# Altium PCB main.PcbDoc (part 1 of 2)
Units mm, origin at the board's own origin, x right, y up, seen from the top; angles counter-clockwise.
Board outline 102 x 102 mm, 2 copper layers (Top Layer, Bottom Layer); 121 components, 96 nets, 438 pads, 258 vias.
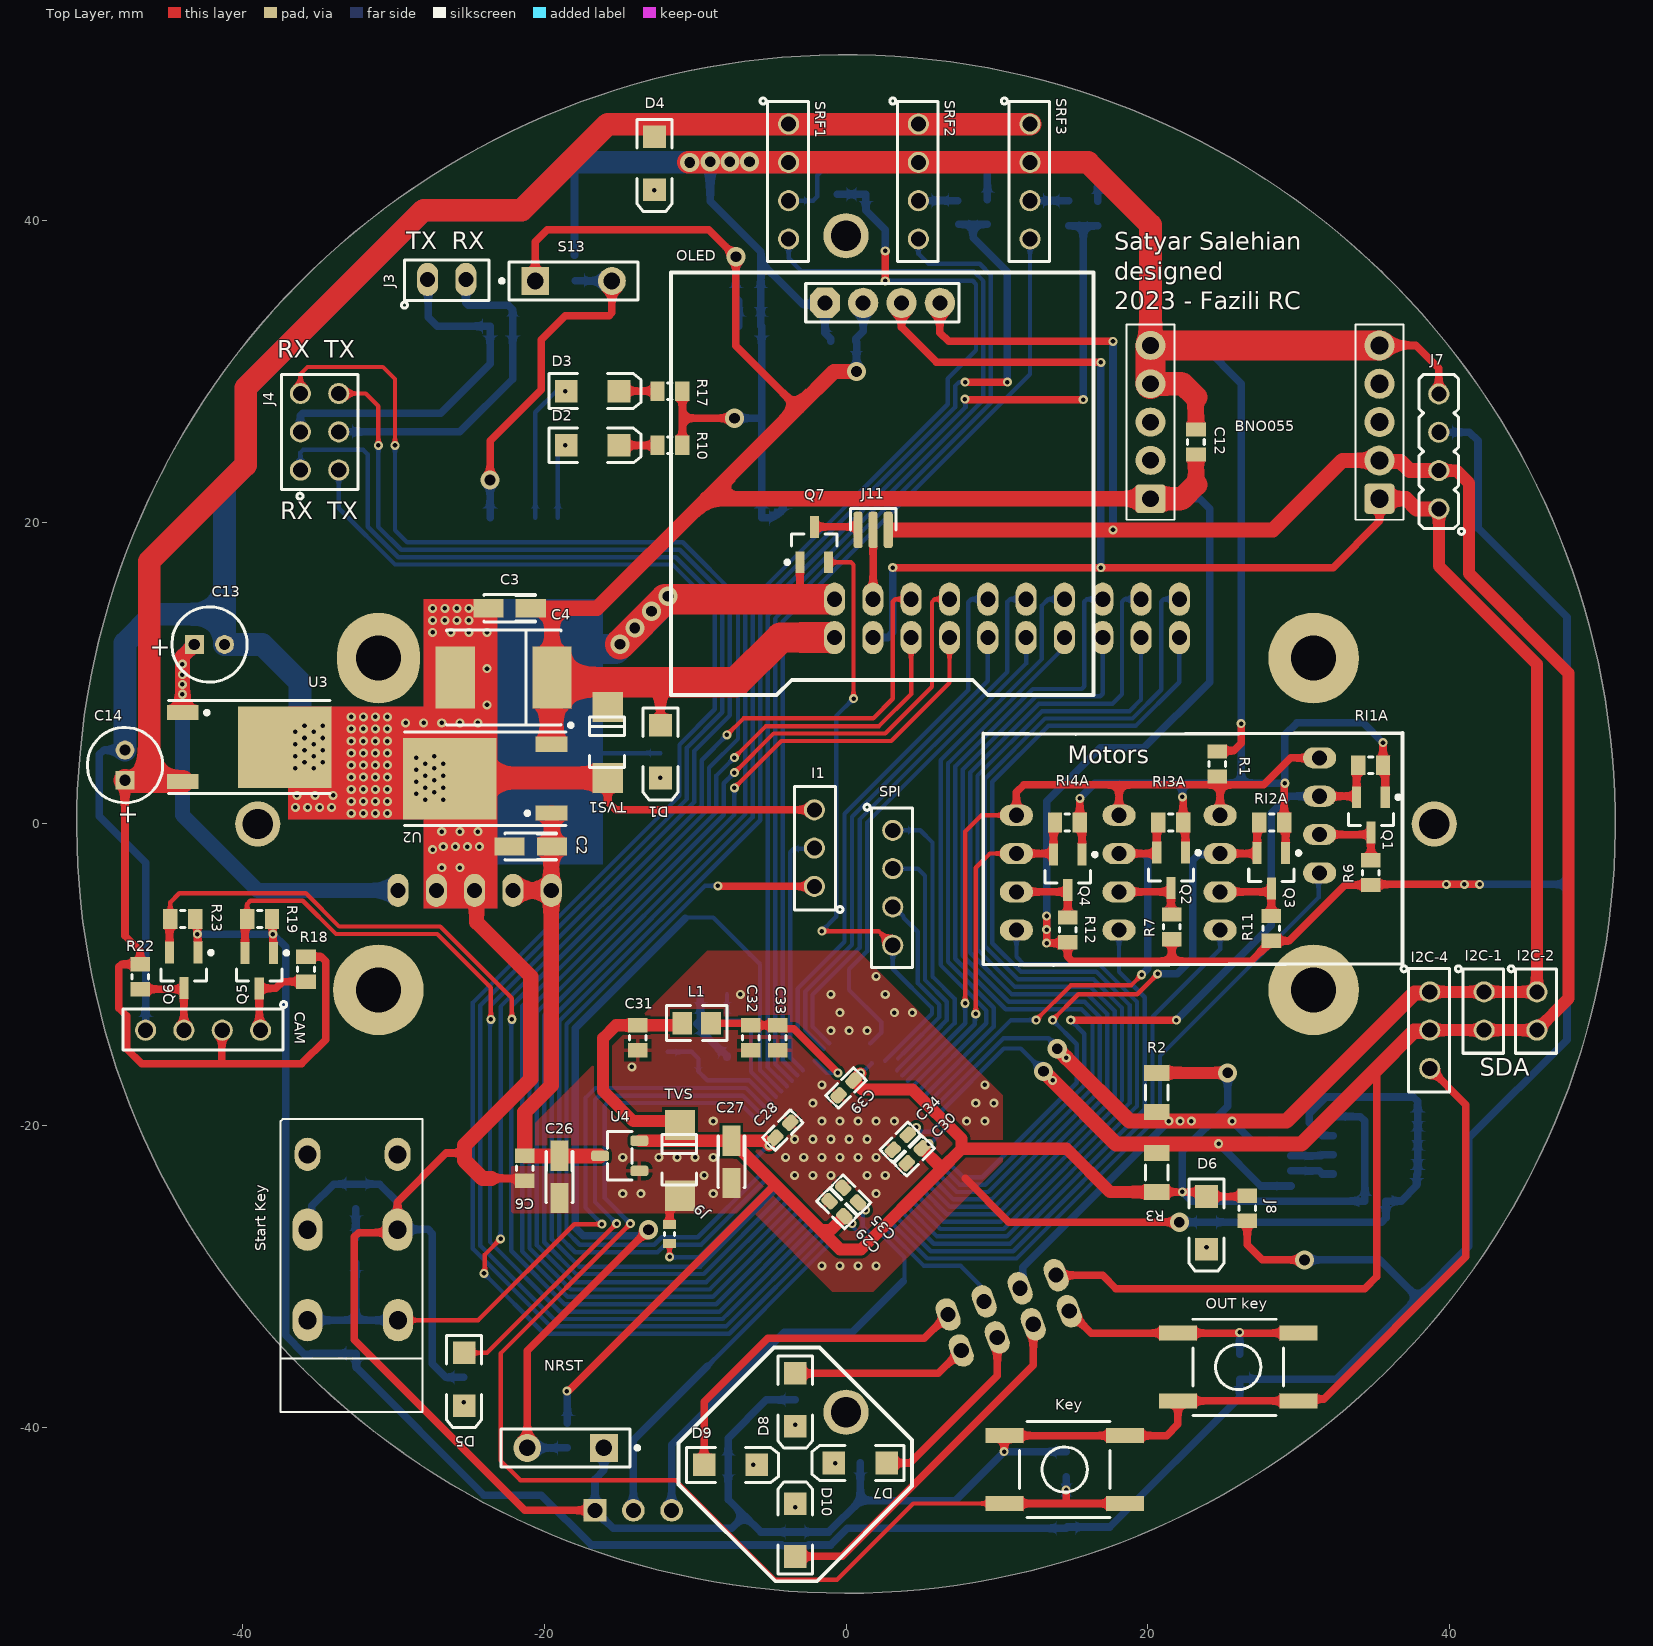
[diagram p0: Top Layer view]
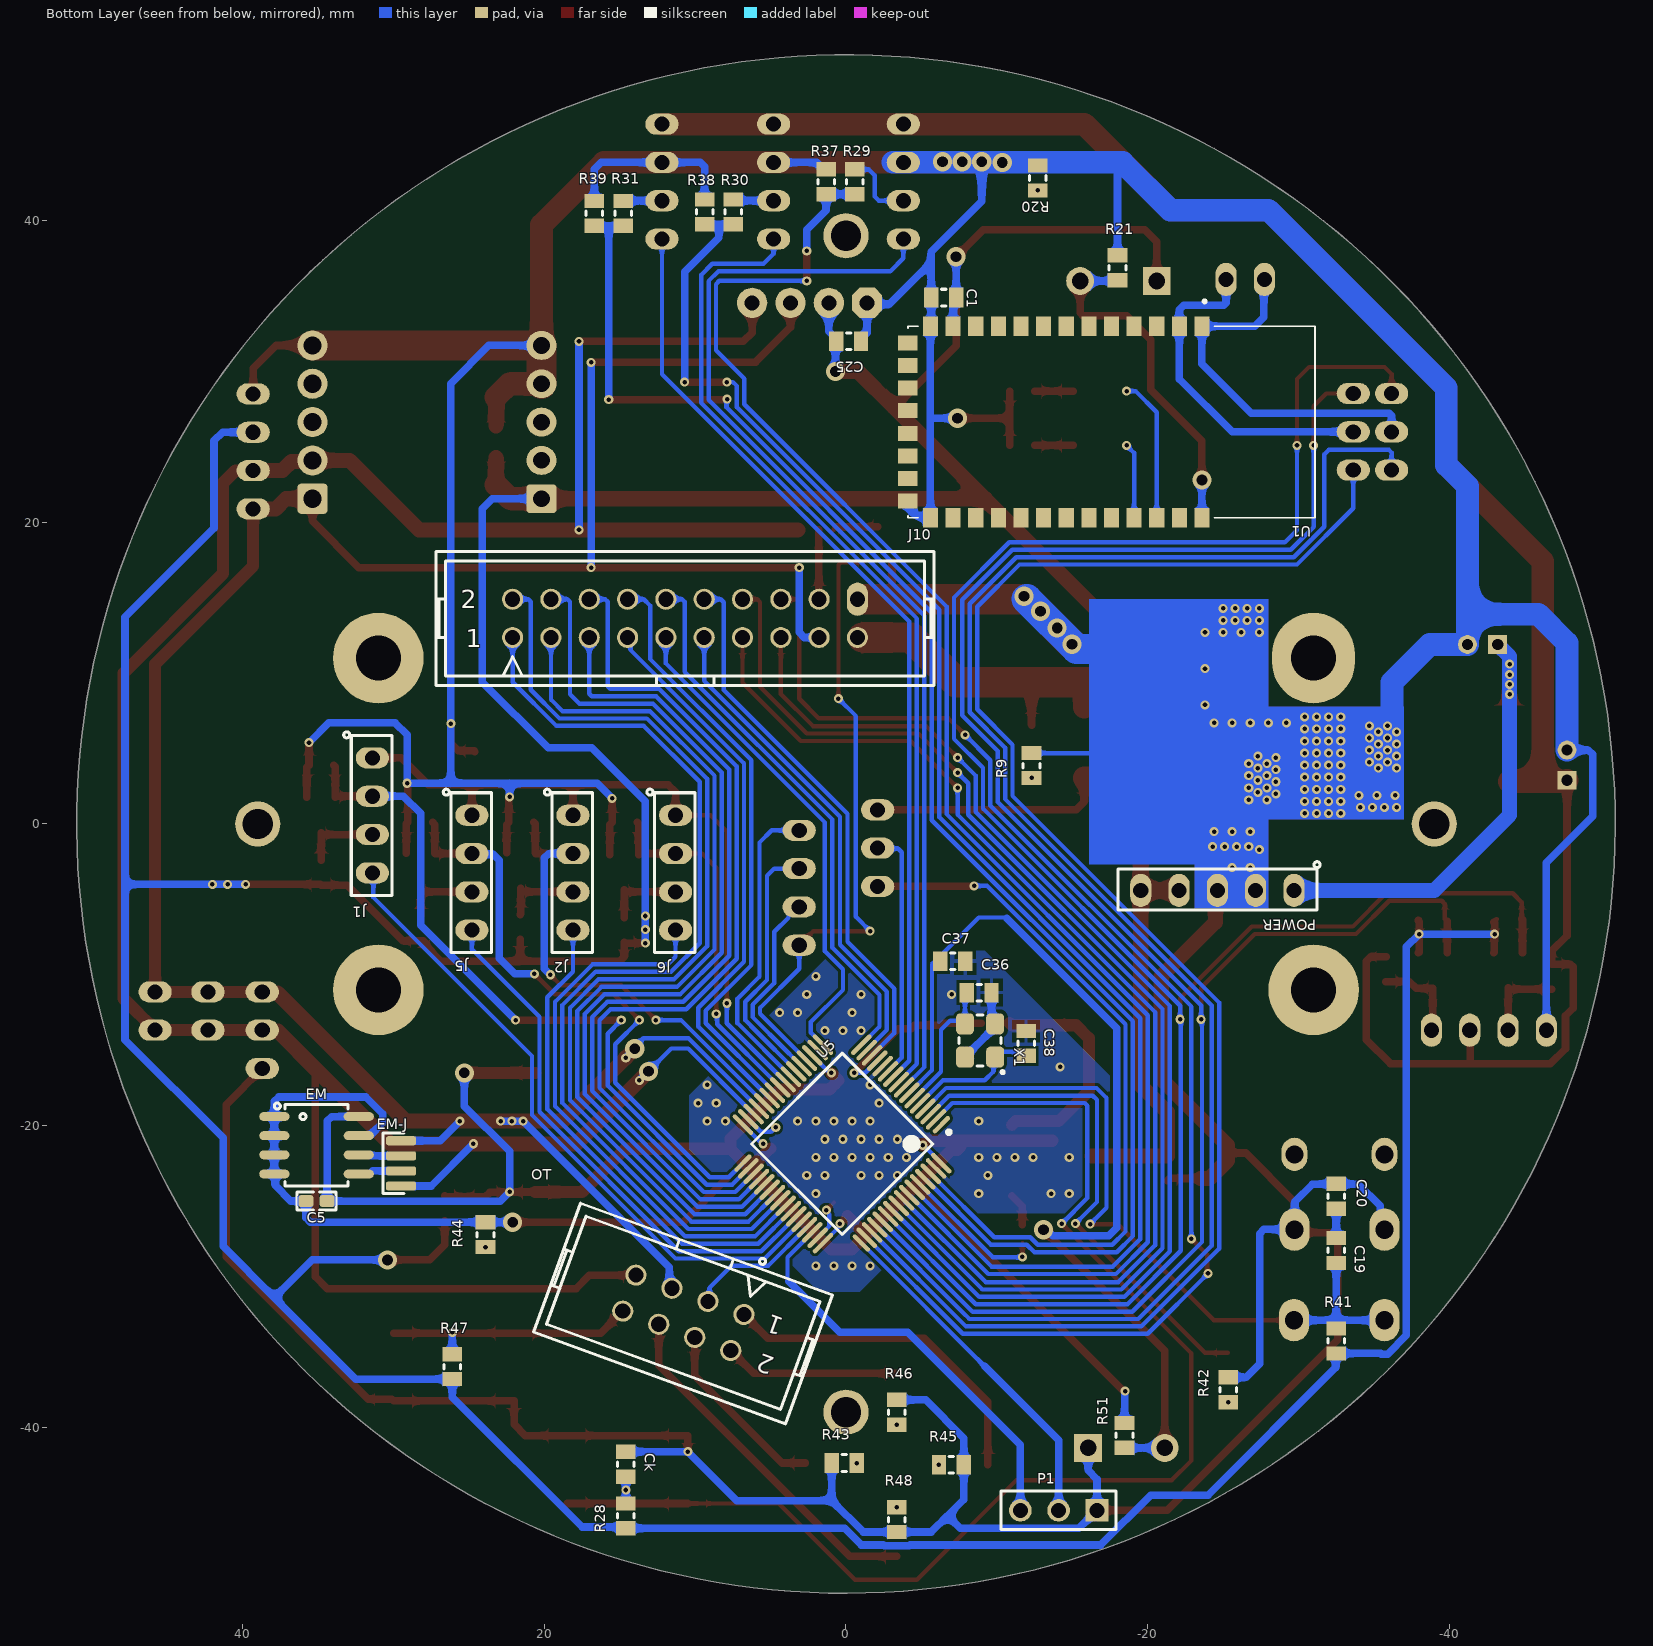
[diagram p1: Bottom Layer view, seen from below]

## Layer stack, top to bottom
Top Solder: solder mask 0.0102, Solder Resist, Dk 3.5
Top Layer: signal copper 0.0356
Dielectric 1: dielectric 0.32, FR-4, Dk 4.8
Bottom Layer: signal copper 0.0356
Bottom Solder: solder mask 0.0102, Solder Resist, Dk 3.5

## Board outline
-50.077,9.66 ccw(c0,0) -50.063,9.732

## Design rules (kind name [scope] priority, off if disabled: settings)
Clearance [All] p1: gap=0.2 ignorepadtopadclearanceinfootprint=FALSE
DiffPairsRouting [All] p1: maxlimit=0.24 minlimit=0.1 mostfreqgap=0.1 toplayer_minwidth=0.22 toplayer_maxwidth=0.22 toplayer_prefwidth=0.22 bottomlayer_minwidth=0.22 bottomlayer_maxwidth=0.22 bottomlayer_prefwidth=0.22 maxuncoupledlength=12.7
PolygonConnect [All] p1: thpad.connectstyle=Relief thpad.reliefconductorwidth=0.254 thpad.reliefentries=4 thpad.polygonreliefangle="90 Angle" thpad.airgapwidth=0.254 smdpad.connectstyle=Relief smdpad.reliefconductorwidth=0.254 smdpad.reliefentries=4 smdpad.polygonreliefangle="90 Angle" smdpad.airgapwidth=0.254 via.connectstyle=Direct via.reliefconductorwidth=0.254 via.reliefentries=4 via.polygonreliefangle="90 Angle" via.airgapwidth=0.254
RoutingVias [All] p1: holewidth=0.711 width=1.27 viastyle="Through Hole" minholewidth=0.711 minwidth=1.27 maxholewidth=0.711 maxwidth=1.27
SolderMaskExpansion [All] p1: expansion=0.102 istentingtop=FALSE
Width [All] p1: maxlimit=2.5 minlimit=0.29 preferedwidth=0.5 minimp=50.000000 maximp=50.000000 favimp=50.000000
29 further rules are at their usual default settings.

## Components (designator, comment, footprint, x,y, rotation, side; value= is the part's Value field where it differs from the comment)
BNO055 "BNO055" BNO055 27.7,26.3 r180 top (schematic designator *)
C1 "100nF" SMD_CAP_0805 -7.3,34.9 r0 bottom
C2 "Cap_tan" Cap_A#1 -20.9,-1.5 r180 top value=10uf
C3 "Cap_tan" Cap_A#1 -22.3,14.3 r180 top value=10uf
C4 "Cap" Cap_E -22.7,9.7 r180 top value=2.2uf
C5 "100nF" C0603 35.1,-25 r0 bottom
C6 "100nF" SMD_CAP_0805 -21.3,-23.65 r90 top
C12 "100nF" SMD_CAP_0805 23.2,24.5 r90 top
C13 "Cap" Cap1_(2mm) -42.2,11.9 r0 top value=0.22uF
C14 "Cap" Cap1_(2mm) -47.8,3.9 r90 top value=0.1uF
C19 "100nF" SMD_CAP_0805 -32.5,-29.1 r90 bottom
C20 "100nF" SMD_CAP_0805 -32.5,-23.85 r270 bottom
C25 "100nF" SMD_CAP_0805 0.65,32 r180 bottom
C26 "Cap_tan" Cap_A#2 -19,-23.4 r270 top value=10uf
C27 "Cap_tan" Cap_A#1 -7.6,-22.4 r270 top value=10uf
C28 "100nF" C0603 -4.195,-20.295 r45 top
C29 "100nF" C0603 -0.6,-25.5 r135 top
C30 "100nF" C0603 4.523,-21.997 r225 top
C31 "4.7uF" SMD_CAP_0805 -13.805,-13.345 r270 top
C32 "4.7uF" SMD_CAP_0805 -6.312,-13.345 r270 top
C33 "100nF" SMD_CAP_0805 -4.534,-13.345 r270 top
C34 "2.2uF" C0603 3.6,-21.1 r225 top
C35 "2.2uF" C0603 0.3,-24.6 r135 top
C36 "22pf" SMD_CAP_0805 -8.001,-11.176 r180 bottom
C37 "100nF" SMD_CAP_0805 -7.9,-9.1 r0 bottom
C38 "22pf" SMD_CAP_0805 -11.938,-15.375 r90 bottom
C39 "100nF" C0603 0,-17.5 r225 top
CAM "HDRF4" HDR_F_1X4#1 -42.624,-13.673 r180 top
Ck "100nF" SMD_CAP_0805 14.594,-41.616 r270 bottom
D1 "LED Red" LED_Red_1206 -12.3,4.8 r270 top
D2 "LED Red" LED_Red_1206 -16.8,25.1 r0 top
D3 "LED Red" LED_Red_1206 -16.8,28.7 r0 top
D4 "LED Red" LED_Red_1206 -12.7,43.8 r270 top
D5 "LED Red" LED_Red_1206 -25.321,-36.808 r270 top
D6 "LED Red" LED_Red_1206 23.9,-26.45 r270 top
D7 "LED Red" LED_Red_1206 0.948,-42.366 r180 top
D8 "LED Red" LED_Red_1206 -3.37,-38.175 r270 top
D9 "LED Red" LED_Red_1206 -7.66,-42.493 r0 top
D10 "LED Red" LED_Red_1206 -3.37,-46.811 r90 top
EM "AT24C256" SO_8 35.1,-21.3 r180 bottom
EM-J "HDR4" HDR1SE_M_1X4 29.5,-22.5 r270 bottom
I1 "HDRF3" HDR_F_1X3 -2.1,-1.6 r90 top
I2C-1 "HDRF2" HDR_F_1X2#1 42.3,-12.4 r270 top
I2C-2 "HDRF2" HDR_F_1X2#1 45.8,-12.4 r270 top
I2C-4 "HDRF3" HDR_F_1X3 38.7,-13.67 r270 top
J1 "HDRF4" HDR_F_1X4#2 31.4,0.57 r270 bottom
J2 "HDRF4" HDR_F_1X4#2 18.1,-3.23 r270 bottom
J3 "HDRF2" HDR_F_1X2#2 -26.47,36.1 r0 top
J4 "HDRF_2X3" HDR_F_2X3 -34.9,26 r90 top
J5 "HDRF4" HDR_F_1X4#2 24.8,-3.23 r270 bottom
J6 "HDRF4" HDR_F_1X4#2 11.3,-3.23 r270 bottom
J7 "HDR1X4" HDR_M_1X4 39.3,24.7 r90 top value=HDRM4
J8 "0" "RES 0805 (2012X06L)" 26.6,-24.65 r270 top
J9 "0" "RES 0603 (1608X06L)" -11.7,-27.8 r90 top
J10 "TSSP" IDC_2X10 10.67,13.63 r180 bottom value=IDC_2X10
J11 "HDR3" HDR1SE_M_1X3 1.8,19.5 r180 top
Key "Switch PB" SW-PB 14.5,-42.8 r180 top (schematic designator S18)
L1 "Inductor" Capacitor_805 -9.9,-13.2 r0 top value=10uH
NRST "SW-PB" SPST -18.593,-41.365 r180 top (schematic designator S20)
OLED "HDRF4" OLED64*128 1.8,24.3 r0 top locked
OT "IDC_2X4" IDC_2X4 10.785,-32.41 r20 bottom
"OUT key" "Switch PB" SW-PB 26,-36 r0 top (schematic designator S19)
P1 "Prog" "HDR 1X3" -16.64,-45.5 r0 bottom
POWER "HDRF5" HDR_F_1X5 -24.62,-4.4 r0 bottom
Q1 "2N7002" SOT23_BEC_M 34.8,0.6 r270 top
Q2 "2N7002" SOT23_BEC_M 21.55,-3.075 r270 top
Q3 "2N7002" SOT23_BEC_M 28.2,-3.1 r270 top
Q4 "2N7002" SOT23_BEC_M 14.7,-3.2 r270 top
Q5 "2N7002" SOT23_BEC_M -38.9,-9.725 r270 top
Q6 "2N7002" SOT23_BEC_M -43.9,-9.7 r270 top
Q7 "2N7002" SOT23_BEC_M -2.1,18.525 r90 top
R1 "0" "RES 0805 (2012X06L)" 24.6,3.15 r90 top
R2 "0" "RES 1206 (3216X08L)" 20.6,-19.096 r90 top
R3 "0" "RES 1206 (3216X08L)" 20.6,-21.804 r270 top
R6 "0" "RES 0805 (2012X06L)" 34.8,-2.4 r270 top
R7 "0" "RES 0805 (2012X06L)" 21.6,-6 r270 top
R9 "2.2K" "RES 0805 (2012X06L)" -12.3,4.7 r270 bottom
R10 "2.2K" "RES 0805 (2012X06L)" -10.85,25.1 r180 top
R11 "0" "RES 0805 (2012X06L)" 28.2,-6.1 r270 top
R12 "0" "RES 0805 (2012X06L)" 14.7,-6.2 r270 top
R17 "2.2K" "RES 0805 (2012X06L)" -10.85,28.7 r180 top
R18 "0" "RES 0805 (2012X06L)" -35.8,-8.8 r270 top
R19 "0" "RES 0805 (2012X06L)" -39.7,-6.3 r0 top
R20 "2.2K" "RES 0805 (2012X06L)" -12.7,43.65 r270 bottom
R21 "2.2K" "RES 0805 (2012X06L)" -18,37.7 r270 bottom
R22 "0" "RES 0805 (2012X06L)" -46.8,-10.95 r90 top
R23 "0" "RES 0805 (2012X06L)" -44.8,-6.3 r0 top
R28 "1K" "RES 0805 (2012X06L)" 14.594,-46.694 r90 bottom
R29 "1K" "RES 0805 (2012X06L)" -0.589,43.4 r270 bottom
R30 "1K" "RES 0805 (2012X06L)" 7.471,41.4 r270 bottom
R31 "1K" "RES 0805 (2012X06L)" 14.777,41.3 r270 bottom
R37 "1K" "RES 0805 (2012X06L)" 1.316,41.75 r90 bottom
R38 "1K" "RES 0805 (2012X06L)" 9.376,39.75 r90 bottom
R39 "1K" "RES 0805 (2012X06L)" 16.682,39.65 r90 bottom
R41 "1K" "RES 0805 (2012X06L)" -32.5,-35.1 r90 bottom
R42 "2.2K" "RES 0805 (2012X06L)" -25.334,-36.682 r270 bottom
R43 "2.2K" "RES 0805 (2012X06L)" 0.947,-42.366 r180 bottom
R44 "2.2K" "RES 0805 (2012X06L)" 23.9,-26.4 r270 bottom
R45 "2.2K" "RES 0805 (2012X06L)" -7.815,-42.493 r0 bottom
R46 "2.2K" "RES 0805 (2012X06L)" -3.37,-38.176 r270 bottom
R47 "1K" "RES 0805 (2012X06L)" 26.1,-36.8 r90 bottom
R48 "2.2K" "RES 0805 (2012X06L)" -3.37,-46.938 r90 bottom
R51 "47K" "RES 0805 (2012X06L)" -18.466,-41.364 r90 bottom
RI1A "0" "RES 0805 (2012X06L)" 33.95,3.9 r0 top
RI2A "0" "RES 0805 (2012X06L)" 29.05,0.1 r180 top
RI3A "0" "RES 0805 (2012X06L)" 20.7,0.1 r0 top
RI4A "0" "RES 0805 (2012X06L)" 13.85,0.1 r0 top
S13 "SW-PB" SPST -18.06,36 r0 top
SPI "HDRF4" HDR_F_1X4#1 3.1,-4.23 r270 top
SRF1 "HDRF4" HDR_F_1X4#1 -3.8,42.59 r270 top
SRF2 "HDRF4" HDR_F_1X4#1 4.8,42.59 r270 top
SRF3 "HDRF4" HDR_F_1X4#1 12.2,42.59 r270 top
"Start Key" "hock switch" "hock switch" -35.7,-32.9 r90 top (schematic designator W)
TVS "SMBJ3.3A" Diode_SS34 -11,-22.3 r90 top
TVS1 "SMBJ3.3A" Diode_SS34 -15.8,5.4 r90 top
U1 "HC-05" HC-05 -14.827,26.79 r90 bottom locked
U2 "LF33CDT" "TO 252" -22.9,3 r90 top
U3 "LM7805" "TO 252" -40.6,5.1 r270 top
U4 "ME6211A33M3G-N" SOT23_3 -15,-22 r180 top
U5 "STM32F405RGT6" STM-LQFP64_N 0.254,-21.209 r315 bottom locked
X1 "16MHZ" XTL_4_3225 -8.89,-14.351 r0 bottom

## Footprints (in the part's own frame and the unit in brackets; to place one, negate y for a bottom-side part, rotate by r counter-clockwise, add the part's x,y. Pads: shape width x height; smd on the part's side, far side on the other; paste and mask are expansions set on the pad)
BNO055 [mm]
  rrect25% 2x2 hole 1.2: 1(-7.667,4.736)
  round 2 hole 1.2: 2(-7.667,2.196) 3(-7.667,-0.344) 4(-7.667,-2.884) 5(-7.667,-5.424)
  oval 2x1.905 hole 1.1: 6(7.514,-5.424) 7(7.514,-2.884) 8(7.514,-0.344) 9(7.514,2.196)
  rrect25% 2x1.905 hole 1.1: 10(7.514,4.736)
  silkscreen extent -9.25,-6.82 9.1,6.13, body extent -9.13,-6.69 8.97,6.01, height 8.51
C0603 [mm] "CHIP Capacitor, 1.6X0.8mm, 0603"
  rrect50% 1x0.8 smd mask+0.075: 1(-0.7,0) 2(0.7,0)
  silkscreen extent -1.33,-0.6 1.32,0.6, body extent -0.8,-0.4 0.8,0.4, height 0.9
Cap1_(2mm) [mm] "Capacitor, Electrolytic, Radial; Body 5 x 6.8 mm (Dia.xH typ); Pin Spacing 2 mm (typ)"
  rect 1.25x1.25 hole 0.75: 1(-1,0)
  round 1.25 hole 0.75: 2(1,0)
  silkscreen extent -2.5,-2.5 2.5,2.5, body extent -2.5,-2.5 2.5,2.5, height 11
Cap_A#1 [mm] "Capacitor, SM Tantalum; Body 3.2 x 1.6 mm (LxW typ)"
  rect 2x1.2 smd: 1(-1.4,0) 2(1.4,0)
  silkscreen extent -1.7,-0.9 1.7,0.9, body extent -1.6,-0.8 1.6,0.8, height 1.6
Cap_A#2 [mm] "Capacitor, SM Tantalum; Body 3.2 x 1.6 mm (LxW typ)"
  rect 2x1.2 smd: 1(-1.4,0)
  rect 2x1.2 smd mask+0.102: 2(1.4,0)
  silkscreen extent -1.7,-0.9 1.7,0.9, body extent -1.6,-0.8 1.6,0.8, height 1.6
Cap_E [mm] "Capacitor, SM Tantalum; Body 7.3 x 6.0 mm (LxW typ)"
  rect 2.6x4.1 smd: 1(-3.2,0) 2(3.2,0)
  silkscreen extent -4.58,-3.15 3.8,3.27, body extent -3.65,-3 3.65,3, height 3.6
Capacitor_805 [mm]
  rect 1.3x1.5 smd: 1(-0.95,0) 2(0.95,0)
  silkscreen extent -2,-1.15 2,1.15, body extent -1,-0.62 1,0.63, height 0.78
Diode_SS34 [mm]
  rect 2x2 smd: 1(-2.35,0) 2(2.35,0)
  silkscreen extent -1.65,-1.1 1.7,1.2, body extent -2.57,-1.82 2.73,1.78, height 2.4
HC-05 [mm]
  rect 1.3x1 smd: 1(6.21,-8.773) 2(6.21,-7.273) 3(6.21,-5.773) 4(6.21,-4.273) 5(6.21,-2.773) 6(6.21,-1.273) 7(6.21,0.227) 8(6.21,1.727) 9(6.21,3.227) 10(6.21,4.727) 11(6.21,6.227) 12(6.21,7.727) 13(6.21,9.227) 22(-6.49,9.227) 23(-6.49,7.727) 24(-6.49,6.227) 25(-6.49,4.727) 26(-6.49,3.227) 27(-6.49,1.727) 28(-6.49,0.227) 29(-6.49,-1.273) 30(-6.49,-2.773) 31(-6.49,-4.273) 32(-6.49,-5.773) 33(-6.49,-7.273) 34(-6.49,-8.773)
  rect 1x1.3 smd: 14(5.11,10.727) 15(3.61,10.727) 16(2.11,10.727) 17(0.61,10.727) 18(-0.89,10.727) 19(-2.39,10.727) 20(-3.89,10.727) 21(-5.39,10.727)
  silkscreen extent -6.49,-16.27 7.96,10.73
HDR1SE_M_1X3 [mm] "HEADER, 1mm, test, SMD"
  rrect50% 0.6x2.4 smd mask+0.1: 1(-1,0) 2(0,0) 3(1,0)
  silkscreen extent -1.5,-1.4 1.5,0
HDR1SE_M_1X4 [mm] "HEADER, 1mm, test, SMD"
  rrect50% 0.6x2 smd mask+0.1: 1(-1.5,0) 2(-0.5,0) 3(0.5,0) 4(1.5,0)
  silkscreen extent -2,-1.2 2,0.2
"HDR 1X3" [mm] "Connector; Header; 3 Position"
  rect 1.5x1.5 hole 1: 1(0,0)
  round 1.5 hole 1: 2(2.54,0) 3(5.08,0)
  silkscreen extent -1.27,-1.27 6.35,1.27, body extent -1.26,-1.27 6.35,1.26, height 8.51
HDR_F_1X2#1 [mm] "HEADER FEMALE pitch: 2.54mm"
  round 1.4 / inner round 1.4 / far side oval 1.4x2.2 hole 1 mask+0.1: 1(-1.27,0) 2(1.27,0)
  silkscreen extent -3,-1.9 2.8,1.3, body extent -2.66,-1.3 2.67,1.2, height 8.5
HDR_F_1X2#2 [mm] "HEADER FEMALE pitch: 2.54mm"
  oval 1.4x2.2 hole 1 mask+0.1: 1(-1.27,0) 2(1.27,0)
  silkscreen extent -3,-1.9 2.8,1.3, body extent -2.66,-1.3 2.67,1.2, height 8.5
HDR_F_1X3 [mm] "HEADER FEMALE pitch: 2.54mm"
  round 1.4 / inner round 1.4 / far side oval 1.4x2.2 hole 1 mask+0.1: 1(-2.54,0) 2(0,0) 3(2.54,0)
  silkscreen extent -4.27,-1.9 4.1,1.3, body extent -3.93,-1.3 3.94,1.2, height 8.5
HDR_F_1X4#1 [mm] "HEADER FEMALE pitch: 2.54mm"
  round 1.4 / inner round 1.4 / far side oval 1.4x2.2 hole 1 mask+0.1: 1(-3.81,0) 2(-1.27,0) 3(1.27,0) 4(3.81,0)
  silkscreen extent -5.54,-1.9 5.3,1.3, body extent -5.2,-1.3 5.21,1.2, height 8.5
HDR_F_1X4#2 [mm] "HEADER FEMALE pitch: 2.54mm"
  oval 1.4x2.2 hole 1 mask+0.1: 1(-3.81,0) 2(-1.27,0) 3(1.27,0) 4(3.81,0)
  silkscreen extent -5.54,-1.9 5.3,1.3, body extent -5.2,-1.3 5.21,1.2, height 8.5
HDR_F_1X5 [mm] "HEADER FEMALE pitch: 2.54mm"
  oval 1.4x2.2 hole 1 mask+0.1: 1(-5.08,0) 2(-2.54,0) 3(0,0) 4(2.54,0) 5(5.08,0)
  silkscreen extent -6.81,-1.9 6.6,1.3, body extent -6.47,-1.3 6.48,1.2, height 8.5
HDR_F_2X3 [mm] "Connector; Header; 3x2 Position"
  round 1.4 / inner round 1.4 / far side oval 1.4x2.2 hole 1: 1(-2.54,1.27) 2(-2.54,-1.27) 3(0,1.27) 4(0,-1.27) 5(2.54,1.27) 6(2.54,-1.27)
  silkscreen extent -4.47,-2.54 3.81,2.54, body extent -3.81,-2.54 3.81,2.54, height 8.5
HDR_M_1X4 [mm] "Connector; Header; 4 Position"
  round 1.4 / inner round 1.4 / far side oval 1.4x2.2 hole 1 mask+0.1: 1(-3.81,0) 2(-1.27,0) 3(1.27,0) 4(3.81,0)
  silkscreen extent -5.5,-1.7 5.11,1.3, body extent -5.08,-1.27 5.08,1.27, height 8.54
"hock switch" [mm]
  oval 2.8x2 hole 1.2: 1(0,0) 2(6,0) 4(0,-6) 5(6,-5.969)
  oval 2.2x1.7 hole 1.2: 3(11,0) 6(11,-5.969)
  silkscreen extent -6.1,-7.62 13.33,1.78
IDC_2X4 [mm] "IDC, HEADER BOX 2X4, 8p, 2.54mm pitch"
  round 1.4 / inner round 1.4 / far side oval 1.4x2.2 hole 1 mask+0.1: 1(-3.81,-1.27) 2(-3.81,1.27) 3(-1.27,-1.27) 4(-1.27,1.27) 5(1.27,-1.27) 6(1.27,1.27) 7(3.81,-1.27) 8(3.81,1.27)
  silkscreen extent -8.89,-5.2 8.89,4.6, body extent -8.91,-4.42 8.91,4.75, height 9.13
IDC_2X10 [mm]
  round 1.4 / inner round 1.4 / far side oval 1.4x2.2 hole 1 mask+0.1: 1(-11.43,-1.27) 2(-11.43,1.27) 3(-8.89,-1.27) 4(-8.89,1.27) 5(-6.35,-1.27) 6(-6.35,1.27) 7(-3.81,-1.27) 8(-3.81,1.27) 9(-1.27,-1.27) 10(-1.27,1.27) 11(1.27,-1.27) 12(1.27,1.27) 13(3.81,-1.27) 14(3.81,1.27) 15(6.35,-1.27) 16(6.35,1.27) 17(8.89,-1.27) 18(8.89,1.27) 19(11.43,-1.27)
  oval 1.4x2.2 hole 1 mask+0.1: 20(11.43,1.27)
  silkscreen extent -16.51,-4.45 16.51,4.45, body extent -16.53,-4.42 16.53,4.75, height 9.13
LED_Red_1206 [mm]
  rect 1.5x1.5 smd: 1(-1.75,0) 2(1.75,0)
  silkscreen extent -2.9,-1.15 3.2,1.15, body extent -1.61,-0.8 1.61,0.8, height 1.1
OLED64*128 [mm]
  oct 2x2 hole 1: 1(-3.2,10.25)
  round 2 hole 1: 2(-0.66,10.25) 3(1.88,10.25) 4(4.42,10.25)
  silkscreen extent -13.4,-15.75 14.6,12.25, body extent -12.95,-15.27 14.35,12.03, height 2
"RES 0603 (1608X06L)" [mm] "Chip Resistor, 2-Leads, Body 1.6x0.8mm, IPC High Density _ (0.063W)"
  rect 0.6x0.85 smd: 1(0,0) 2(1.244,0)
  silkscreen extent 0.52,-0.33 0.72,0.33, body extent -0.14,-0.38 1.38,0.38, height 0.45
"RES 0805 (2012X06L)" [mm] "Chip Resistor, 2-Leads, Body 2.0x1.3mm, IPC High Density _ (0.100 W)"
  rect 0.95x1.3 smd: 1(0,0) 2(1.65,0)
  silkscreen extent 0.67,-0.55 0.97,0.55, body extent -0.19,-0.63 1.84,0.64, height 0.6
"RES 1206 (3216X08L)" [mm] "Chip Resistor, 2-Leads, Body 3.2x1.6mm, IPC High Density _ (0.125 W)"
  rect 1.05x1.7 smd: 1(0,0) 2(2.596,0)
  silkscreen extent 0.8,-0.75 1.8,0.75, body extent -0.23,-0.76 2.82,0.76, height 0.6
SMD_CAP_0805 [mm]
  rect 0.95x1.3 smd: 1(0,0) 2(1.65,0)
  silkscreen extent 0.67,-0.55 0.97,0.55, body extent -0.19,-0.64 1.84,0.63, height 0.65
SO_8 [mm] "SOP-8, 5x3.9mm body 1.27mm pitch, SOT96-1, M08A, S8, SOIC8, VO8, MS-012AA(JEDEC), R-8, 8S2, VOG8"
  oval 2x0.6 smd: 1(-2.8,1.905) 2(-2.8,0.635) 3(-2.8,-0.635) 4(-2.8,-1.905) 5(2.8,-1.905) 6(2.8,-0.635) 7(2.8,0.635) 8(2.8,1.905)
  silkscreen extent -2.8,-2.7 2.1,2.8, body extent -3,-2.45 3,2.45, height 1.7
SOT23_3 [mm] "SOT-23, Micro3, MO-178, TO-236AB, MO-193C, SuperSOT3, SC-59, 1.9mm pitch 3X1.5mm body"
  rrect50% 1.2x0.7 smd mask+0.1: 1(-1.3,1) 2(-1.3,-1) 3(1.3,0)
  silkscreen extent -0.8,-1.6 0.8,1.6, body extent -1.32,-1.5 1.32,1.5, height 1.08
SOT23_BEC_M [mm] "SOT23, 3-Leads, Body 2.9x1.3mm, Pitch 0.95mm, Lead Span 2.4mm, IPC Low Density"
  rect 1.45x0.6 smd: 1(-1.175,0.95) 2(-1.175,-0.95) 3(1.175,0)
  silkscreen extent -1.3,-1.5 0.7,1.93, body extent -1.23,-1.45 1.07,1.45, height 1
SPST [mm] "Switch; 2 Leads"
  rect 1.85x1.85 hole 1.1: 1(-2.54,0)
  round 1.85 hole 1.1: 2(2.54,0)
  silkscreen extent -4.89,-1.27 4.28,1.27
STM-LQFP64_N [mm] "Thin QFP, 64-Leads, Body 10x10mm, Pitch 0.5mm, IPC Medium Density"
  oval 1.5x0.3 smd: 1(-5.55,3.75) 33(5.55,-3.75)
  oval 1.8x0.3 smd: 2(-5.55,3.25) 3(-5.55,2.75) 4(-5.55,2.25) 5(-5.55,1.75) 6(-5.55,1.25) 7(-5.55,0.75) 8(-5.55,0.25) 9(-5.55,-0.25) 10(-5.55,-0.75) 11(-5.55,-1.25) 12(-5.55,-1.75) 13(-5.55,-2.25) 14(-5.55,-2.75) 15(-5.55,-3.25) 16(-5.55,-3.75) 34(5.55,-3.25) 35(5.55,-2.75) 36(5.55,-2.25) 37(5.55,-1.75) 38(5.55,-1.25) 39(5.55,-0.75) 40(5.55,-0.25) 41(5.55,0.25) 42(5.55,0.75) 43(5.55,1.25) 44(5.55,1.75) 45(5.55,2.25) 46(5.55,2.75) 47(5.55,3.25) 48(5.55,3.75)
  oval 0.3x1.8 smd: 17(-3.75,-5.55) 18(-3.25,-5.55) 19(-2.75,-5.55) 20(-2.25,-5.55) 21(-1.75,-5.55) 22(-1.25,-5.55) 23(-0.75,-5.55) 24(-0.25,-5.55) 25(0.25,-5.55) 26(0.75,-5.55) 27(1.25,-5.55) 28(1.75,-5.55) 29(2.25,-5.55) 30(2.75,-5.55) 31(3.25,-5.55) 32(3.75,-5.55) 50(3.25,5.55) 51(2.75,5.55) 52(2.25,5.55) 53(1.75,5.55) 54(1.25,5.55) 55(0.75,5.55) 56(0.25,5.55) 57(-0.25,5.55) 58(-0.75,5.55) 59(-1.25,5.55) 60(-1.75,5.55) 61(-2.25,5.55) 62(-2.75,5.55) 63(-3.25,5.55) 64(-3.75,5.55)
  oval 0.3x1.5 smd: 49(3.75,5.55)
  silkscreen extent -5.67,-4.25 4.25,4.57, body extent -6,-6 6,6, height 1.6
SW-PB [mm]
  rect 2.5x1 smd: 1(-3.992,2.25) 1(3.992,2.25) 2(-3.992,-2.25) 2(3.992,-2.25)
  silkscreen extent -3,-3.2 3,3.18, body extent -4.5,-3 4.5,3, height 5
"TO 252" [mm]
  rect 1x2.1 smd: 1(2.285,-3.375) 3(-2.285,-3.375)
  rect 5.4x6.2 smd: 2(0,3.375)
  silkscreen extent -3.09,-4.32 3.09,6.38, body extent -3.27,-4.11 3.27,5.83, height 2.39
XTL_4_3225 [mm] "CRYSTAL OSCILATOR 3.2X2.5mm, ABM8, CDFN-4"
  rrect50% 1.2x1.4 smd: 1(-1,1.1) 2(-1,-1.1) 3(1,-1.1) 4(1,1.1)
  Top Layer pour cut-out: -1.6,1.8 -1.6,-1.8 1.6,-1.8 1.6,1.8
  silkscreen extent -1.6,-1.7 1.4,2.2, body extent -1.25,-1.6 1.25,1.6, height 0.61

## Part data
C1 C5 C6 C12 C19 C20 C25 C28 C29 C30 C31 C32 C33 C34 C35 C36 C37 C38 C39 Ck: library part Cap-Bipolar, "Bipolar Capacitor", Voltage=100V, Adding Date=1387/12/20, Designer="Saeid Jorablo", Organazation=ControTec
C2 C3 C26 C27: library part "Tantalum Cap", "Solid Tantalum Chip Capacitor, Standard T491 Series - Industrial Grade", PackageDocument=Mar-2001, Code_JEITA=3528-21, ComponentLink1Description="Manufacturer Link", ComponentLink1URL=http://www.kemet.com/, ComponentLink2Description=Datasheet, ComponentLink2URL=http://www.kemet.com/kemet/web/homepage/kechome.nsf/vapubfilesname/F3102TA.pdf/$file/F3102TA.pdf, DatasheetDocument=Mar-2001, LatestRevisionDate=19-Mar-2004, LatestRevisionNote="Silkscreen dimensions re-sized.", PackageReference=B, Published=17-Jul-2002, Publisher="Altium Limited"
C4 C13 C14: library part Cap_pol, "Polarized Capacitor (Radial)"
CAM J1 J2 J5 J6 OLED SPI SRF1 SRF2 SRF3: library part HDR_F_1X4, "CONN, HEADER, Female, pitch: 2.54mm, 4POS"
EM: library part EEPROM_I2C_AT24C256_SOP8, "EEPROM, I2C"
EM-J: library part HDRTST_1X4, "HEADER, 1mm pitch, test, SMD"
I1 I2C-4: library part HDR_F_1X3, "CONN, HEADER, Female, pitch: 2.54mm, 3POS"
I2C-1 I2C-2 J3: library part HDR_F_1X2, "CONN, HEADER, Female, pitch: 2.54mm, 2POS"
J4: library part HDR_F_2X3, "CONN, HEADER, Female, pitch: 2.54mm, 6POS", MANF=MANF, MANF_P#=MANF_PART#
J7: library part HDR_M_1X4, "CONN, HEADER, Male, pitch: 2.54mm, 4POS"
J8 J9 R1 R2 R3 R6 R7 R9 R10 R11 R12 R17 R18 R19 R20 R21 R22 R23 R28 R29 R30 R31 R37 R38 R39 R41 R42 R43 R44 R45 R46 R47 R48 R51 RI1A RI2A RI3A RI4A: library part Resistor, "Resistor"
J10: library part IDC_2X10, "CONN, IDC, Male, pitch: 2.54mm, 20POS"
J11: library part HDRTST_1X3, "HEADER, 1mm pitch, test, SMD"
Key "OUT key": "Push Button Switch"
NRST S13: "Switch"
OT: "CONN, IDC, Male, pitch: 2.54mm, 8POS"
P1: library part "Header 3", "Header, 3-Pin"
POWER: library part HDR_F_1X5, "CONN, HEADER, Female, pitch: 2.54mm, 5POS"
Q1 Q2 Q3 Q4 Q5 Q6 Q7: library part PNP, "PNP Bipolar Transistor", LatestRevisionDate=29-May-2009, LatestRevisionNote="IPC-7351 Footprint Added.", PackageDescription="3-Pin SOT-23 Package 0.95 mm Pitch, 2.4 mm Lead Span", PackageReference=SOT-23B, PackageVersion=Aug-1999, Published=8-Jun-2000, Publisher="Altium Limited"
TVS TVS1: library part 1N5819, "Schottky diode"
U1: "Bluetooth to Serial Port Module", Package=None, Availability=Unavailable, MP=HC-05, PRICE=None
U2: library part LM7805
U4: "IC, Regulator, Linear LDO ,Low noise"
U5: "ARM Cortex-M4 32-bit MCU+FPU, 210 DMIPS, 1024 kB Flash, 192 kB Internal RAM, 51 I/Os, 64-pin LQFP, -40 to 85 degC, Tray", I/Os (High Current)=51, Manufacturer=STMicroelectronics, Operating Frequency(F) (Processor speed) (MHz)=168, Supply Voltage(Vcc) max (V)=3.6, Supply Voltage(Vcc) min (V)=1.8, ComponentLink1Description="Manufacturer URL", ComponentLink1URL=http://www.st.com/web/en/home.html, ComponentLink2Description=Datasheet, ComponentLink2URL=http://www.st.com/st-web-ui/static/active/en/resource/technical/document/datasheet/DM00037051.pdf, ComponentLink3Description="Package Specification", ComponentLink3URL=http://www.st.com/st-web-ui/static/active/en/resource/technical/document/datasheet/DM00037051.pdf, Core="ARM Cortex-M4", D/A Converter=2x12-bit, DatasheetVersion="Rev. 4", FLASH Size (Prog) (kB)=1024, Internal RAM Size (kB)=192, Mounting Technology="Surface Mount", PackageDescription="64-Pin Low Profile Quad Flat Package, 10 x 10 mm Body, 0.5 mm Pitch", PackageReference=LQFP64, PackageVersion="Rev. 4, 06/2013", Packing=Tray, PartNumber=STM32F405RGT6
X1: library part XTL_16MHz_3225, "Crystal 24MHz", MANF=EPSON, MANF_P#="TSX-3225 24.0000MF10Z-C3", PARAM=-20~75oC, PARAM2="10PPM, 18pF", PRICE=0.5$
L1: Published=8-Jun-2000, Publisher="Altium Limited", Revision="July-2002: Re-released for DXP Platform."

## Free pads (board coordinates)
  round 3 hole 2: ""(-39,0) ""(0,-39) ""(0,39) ""(0,39) ""(39,0)
  round 6 hole 3: ""(-31,-11) ""(31,-11) ""(31,11)
  oval 5.5x6 hole 3: ""(-31,11)

## Via types
v1: diameter 0.6, hole 0.3, Top Layer to Bottom Layer, tented both sides, 240 vias
v2: diameter 1.27, hole 0.711, Top Layer to Bottom Layer, tented both sides, 18 vias

## Nets (pads, with @x,y where several pads share a name; then routed paths per layer and width w, separated by ;. In a path a pad name is that pad's centre, name@x,y a point inside that pad or via, vN(x,y) a via of type N, cw(c..) or ccw(c..) an arc to the next point about the centre after c; other vN are vias at no path point)
+3.3-UC: BNO055.10 C1.1 C3.1 C4.1 C12.1 C25.1 D1.1 J7.3 J8.2 J10.19 OLED.2 Q5.1 Q6.1 R6.2 R7.2 R11.2 R12.2 R19.2 R23.2 R28.1 R41.1 R47.1 S13.1 TVS1.2 U1.12 U2.1 | length 422.1
  Top Layer w0.29: R23.2@-43.15,-6.3 R23.2@-42.95,-6.5 ; R19.2@-38.05,-6.3 R19.2@-37.95,-6.4
  Top Layer w0.5: Q6.1@-42.95,-8.525 -42.981,-8.494 -42.981,-7.319 v1(-43,-7.3) -43.019,-7.281 -43.019,-6.569 R23.2@-42.95,-6.5 ; v1@-38,-7.327 -38,-7.829 -38,-8.5 Q5.1@-37.95,-8.55 ; v1(-38,-7.3) -38.019,-7.281 -38.019,-6.469 R19.2@-37.95,-6.4 ; S13.1@-20.6,36 -20.6,38.6 -19.8,39.4 -9.1,39.4 v2(-7.3,37.6) -7.3,31.7 -3.2,27.6 ; D1.1@-12.3,6.55 -12.3,9.4 ; v1(13.3,-6.1) v1(13.3,-7.9) 14.65,-7.9 R12.2@14.7,-7.85 14.7,-8.807 14.993,-9.1 21.6,-9.1 ; R7.2@21.6,-7.65 21.6,-9.1 ; J8.2@26.6,-26.3 26.6,-27.9 27.6,-28.9 v2(30.4,-28.9) ; v1(42,-4) v1(41,-4) 34.85,-4 R6.2@34.8,-4.05 33.071,-4.05 29.371,-7.75 R11.2@28.2,-7.75 28.025,-7.75 27.8,-7.975 27.8,-8.15 26.85,-9.1 21.6,-9.1
  Top Layer w1: C3.1@-20.9,14.3 -19.5,14.3 ; C4.1@-19.5,9.7 -19.5,14.3 ; v2(0.7,30) -0.8,30 -3.2,27.6 -9.236,21.564 ; BNO055.10@20.186,21.564 -9.236,21.564 ; 23.2,22.5 C12.1@23.2,24.3 ; -19.5,14.3 -16.5,14.3 -9.236,21.564
  Top Layer w1.5: U2.1@-19.525,5.6 -19.525,9.675 C4.1@-19.5,9.7 ; TVS1.2@-15.8,7.75 -15.8,9.3 ; BNO055.10@20.186,21.564 22.264,21.564 23.2,22.5
  Top Layer w2: C4.1@-19.5,9.7 -19.2,9.4 -15.911,9.4 ; -15.8,9.3 -15.9,9.4 -12.3,9.4 -7.3,9.4 -4.34,12.36 J10.19@-1.1,12.36
  Bottom Layer w0.5: v1(-43,-7.3) v1(-38,-7.3) -37.15,-8.15 -37.15,-33.901 -35.907,-35.144 -35.493,-35.144 -35.449,-35.1 R41.1@-32.75,-35.1 ; R41.1@-32.5,-35.1 -32.468,-35.132 -32.468,-36.032 -24,-44.5 -20.2,-44.5 -16.9,-47.8 -4.269,-47.8 -4.206,-47.863 -2.534,-47.863 -2.471,-47.8 -1.01,-47.8 0.096,-46.694 R28.1@14.594,-46.694 14.681,-46.607 17.493,-46.607 26.1,-38 R47.1@26.1,-36.8 32.5,-36.8 37.9,-31.4 ; v2(-7.3,37.6) C1.1@-7.3,34.9 -7.1,34.7 U1.12@-7.1,33 ; v2(0.7,30) 0.7,31.95 C25.1@0.65,32 0.65,32.175 1.14,32.665 OLED.2@1.14,34.55 ; v1(13.3,-7.9) 13.3,1.5 16.85,5.05 19.75,5.05 24.1,9.4 24.1,20.9 23.436,21.564 BNO055.10@20.186,21.564 ; v2(30.4,-28.9) 35.4,-28.9 37.9,-31.4 ; J7.3@39.3,25.97 41.33,25.97 41.9,25.4 41.9,19.6 47.8,13.7 47.8,-4 ; v1(39.8,-4) 47.8,-4 ; 37.9,-31.4 41.3,-28 41.3,-20.8 47.8,-14.3 47.8,-4
  other v1: 13.3,-7
+3.3Vu: C5.1 C27.1 C28.1 C29.1 C30.1 C31.1 C39.1 D6.1 EM.8 J8.1 L1.1 R2.2 R3.2 R51.2 TVS.2 U4.2 U5.19 U5.32 U5.48 U5.64 | length 142.1
  Top Layer w0.29: v1(-5.1,-21.3) -5.1,-21.182 C28.1@-4.929,-21.011 ; C28.1@-4.92,-21.002 C28.1@-4.929,-21.011 ; C28.1@-4.69,-20.79 -4.911,-21.011 C28.1@-4.929,-21.011 ; C29.1@-0.1,-26 v1(0.4,-26.5)
  Top Layer w0.5: v1(-18.5,-37.6) -18.481,-37.581 -18.381,-37.581 -4.7,-23.9 ; R3.2@20.6,-24.4 23.6,-24.4 D6.1@23.9,-24.7 26.55,-24.7 J8.1@26.6,-24.65
  Top Layer w0.8: U4.2@-13.7,-21 C27.1@-7.6,-21 ; TVS.2@-11,-19.95 -11.25,-19.7 -14.1,-19.7 -16.1,-17.7 -16.1,-14.2 -15.245,-13.345 C31.1@-13.805,-13.345 -10.995,-13.345 L1.1@-10.85,-13.2 ; v1(-5.1,-21.3) -5.4,-21 C27.1@-7.6,-21 ; C29.1@-0.105,-25.995 -0.1,-26 -1.019,-26.919 -1.681,-26.919 ; C39.1@0.495,-17.005 v1@0.964,-16.536 ; C39.1@0.713,-17.223 1.09,-17.6 4.4,-17.6 7.669,-20.869 7.669,-21.531 ; C30.1@5.018,-21.502 6.227,-22.711 6.227,-22.973 ; R3.2@20.6,-24.4 17.5,-24.4 14.631,-21.531 7.669,-21.531 ; R2.2@20.6,-16.5 v2(25.3,-16.5) v2@25.473,-16.5 ; C27.1@-7.6,-21 -7.6,-21.4 -7.4,-21.6 -7,-21.6 -4.7,-23.9 -1.681,-26.919 ; -1.681,-26.919 -0.4,-28.2 1,-28.2 6.227,-22.973 ; 6.227,-22.973 7.669,-21.531
  Bottom Layer w0.29: U5.64@-6.322,-22.482 -5.14,-21.3 v1(-5.1,-21.3) ; v1@0.459,-26.718 U5.48@1.527,-27.785 ; v1(0.964,-16.5) 1.024,-16.441 1.133,-16.441 U5.19@1.702,-15.872 ; v1(5.5,-21.2) 5.566,-21.2 U5.32@6.83,-19.936
  Bottom Layer w0.5: v1(-18.5,-37.6) -18.5,-37.627 -18.466,-37.661 R51.2@-18.466,-39.714 ; v2(25.3,-16.5) 25.3,-18.7 22.3,-21.7 v1(22.3,-24.389) 22.911,-25 C5.1@34.4,-25 34.4,-19.688 34.107,-19.395 EM.8@32.3,-19.395
+5: C2.1 C6.2 C26.1 POWER.4 POWER.5 U2.3 U4.3 | length 31
  Top Layer w1: POWER.4@-22.08,-4.4 POWER.5@-19.54,-4.4 ; U2.3@-19.525,0.715 -19.5,0.715 C2.1@-19.5,-1.5 -19.54,-1.54 POWER.5@-19.54,-4.4 ; U4.3@-16.3,-22 C26.1@-19,-22 C6.2@-21.3,-22 -21.3,-19.1 -19.54,-17.34 POWER.5@-19.54,-4.4
+5-SRF: C14.1 CAM.2 D4.1 R18.1 R22.2 SRF1.1 SRF2.1 SRF3.1 U3.1 | length 134.7
  Top Layer w0.5: C14.1@-47.8,2.9 -47.8,-7.4 -46.8,-8.4 R22.2@-46.8,-9.3 -48.03,-9.3 -48.2,-9.47 -48.2,-12.2 -47.7,-12.7 -47.7,-14.9 -46.7,-15.9 -41.476,-15.9 ; CAM.2@-41.354,-13.673 -41.376,-13.695 -41.376,-15.8 -41.476,-15.9 ; R18.1@-35.8,-8.8 -34.8,-8.8 -34.5,-9.1 -34.5,-14.3 -36.1,-15.9 -41.476,-15.9
  Top Layer w1.5: C14.1@-47.8,2.9 -47.715,2.815 -46.2,2.815 ; U3.1@-43.975,2.815 -46.2,2.815 ; SRF3.1@12.2,46.4 SRF2.1@4.8,46.4 SRF1.1@-3.8,46.4 -15.8,46.4 -21.5,40.7 -28,40.7 -39.8,28.9 -39.8,23.8 -46.2,17.4 -46.2,2.815
+8: C13.1 POWER.1 U3.3 | length 32.8
  Top Layer w1: U3.3@-43.975,7.385 -43.975,11.125 C13.1@-43.2,11.9
  Bottom Layer w1: C13.1@-43.2,11.9 -44,11.1 -44,0.6 -39,-4.4 POWER.1@-29.7,-4.4
  other v1: -44,8.6 -44,9.255 -44,9.9 -44,10.6
AVDD: C32.1 C33.1 L1.2 U5.13 | length 11.7
  Top Layer w0.5: L1.2@-8.95,-13.2 -6.457,-13.2 C32.1@-6.312,-13.345 C33.1@-4.534,-13.345 -4.309,-13.57 -3.466,-13.57 v1(-0.536,-16.5)
  Bottom Layer w0.29: U5.13@-2.079,-15.694 -1.273,-16.5 v1(-0.536,-16.5)
BOOT2: J9.1 U5.60 | length 9.7
  Top Layer w0.29: v1(-11.7,-28.7) J9.1@-11.7,-27.8
  Bottom Layer w0.29: v1@-11.675,-28.7 -11.645,-28.73 -9.742,-28.73 U5.60@-4.908,-23.896
BT_RX: J4.1 U5.52 | length 112
  Bottom Layer w0.29: J4.1@-36.17,23.46 -36.17,24.63 -36,24.8 -32,24.8 -31.7,24.5 -31.7,19.7 -29.69,17.69 -11.29,17.69 -8.2,14.6 -8.2,7.4 -10.55,5.05 -10.55,1.657 -24.245,-12.038 -24.245,-27.95 -19.375,-32.82 -8.182,-32.82 -7.747,-32.385 -7.74,-32.385 U5.52@-2.164,-26.809
BT_TX: J4.2 U5.51 | length 107
  Bottom Layer w0.29: J4.2@-33.63,23.46 -33.63,20.93 -29.9,17.2 -11.5,17.2 -8.7,14.4 -8.7,7.6 -11.04,5.26 -11.04,1.86 -24.735,-11.835 -24.735,-28.153 -19.578,-33.31 -7.958,-33.31 U5.51@-1.811,-27.163
CAM_RX: J4.5 Q6.2 R23.1 U5.54 | length 146.1
  Top Layer w0.29: R23.1@-44.8,-6.3 -44.8,-5.2 -44.2,-4.6 -35.807,-4.6 -33.607,-6.8 -26.9,-6.8 -22.154,-11.546 v1(-22.154,-12.946) ; J4.5@-36.17,28.54 -36.17,29.83 -35.7,30.3 -30.7,30.3 -29.9,29.5 v1(-29.9,25.1)
  Top Layer w0.5: Q6.2@-44.85,-8.525 -44.85,-6.35 R23.1@-44.8,-6.3
  Bottom Layer w0.29: v1(-29.9,25.1) -29.9,19.47 -29.1,18.67 -10.817,18.67 -7.16,15.013 -7.16,5.64 -9.08,3.72 -9.08,1.02 -22.154,-12.054 v1(-22.154,-12.946) -22.2,-12.991 -22.2,-28.3 -18.66,-31.84 -8.609,-31.84 U5.54@-2.787,-26.017
CAM_TX: J4.6 Q5.2 R19.1 U5.53 | length 135
  Top Layer w0.29: R19.1@-39.85,-6.45 R19.1@-39.7,-6.3 -39.7,-5.3 -39.49,-5.09 -36.01,-5.09 -33.81,-7.29 -27.103,-7.29 -23.547,-10.846 v1(-23.547,-12.953) ; J4.6@-33.63,28.54 -31.84,28.54 -31.004,27.704 v1(-31.004,25.096)
  Top Layer w0.5: Q5.2@-39.85,-8.55 R19.1@-39.85,-6.45
  Bottom Layer w0.29: v1(-31.004,25.096) -31.004,19.696 -29.487,18.18 -11.02,18.18 -7.7,14.86 -7.7,7.2 -10.06,4.84 -10.06,1.454 -23.547,-12.033 v1(-23.547,-12.953) -23.6,-13.005 -23.6,-27.712 -18.982,-32.33 -8.392,-32.33 U5.53@-2.433,-26.371